# Altium PCB LimeSDR_1v2s.PcbDoc (part 1 of 9) (continued)
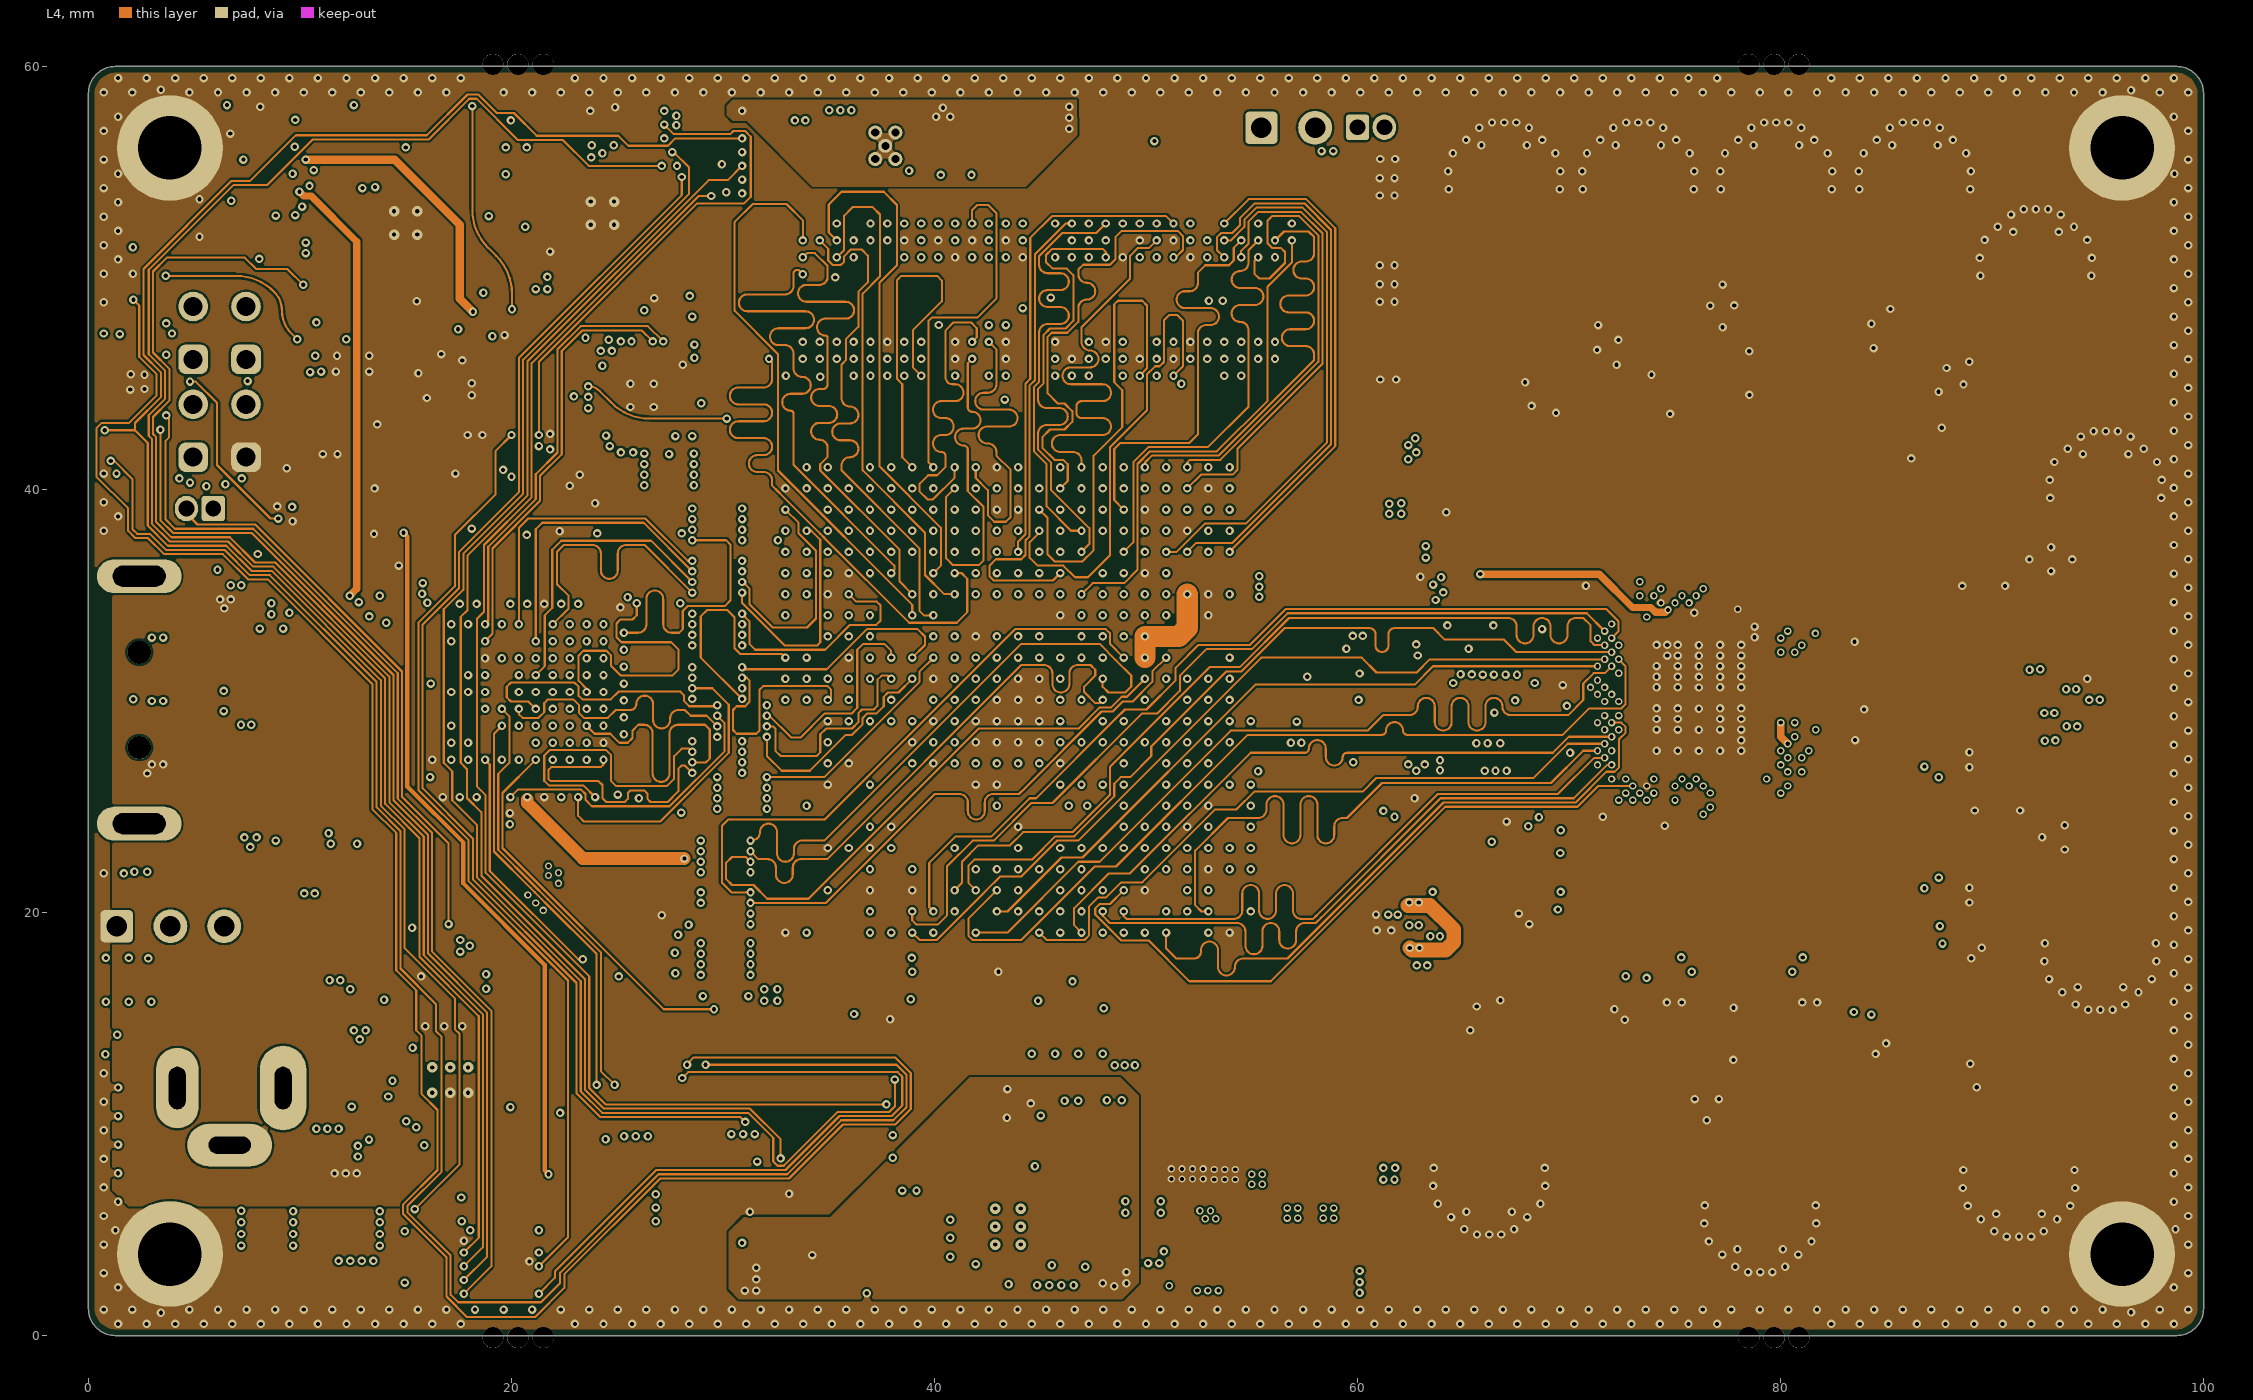
[diagram p4: L4]
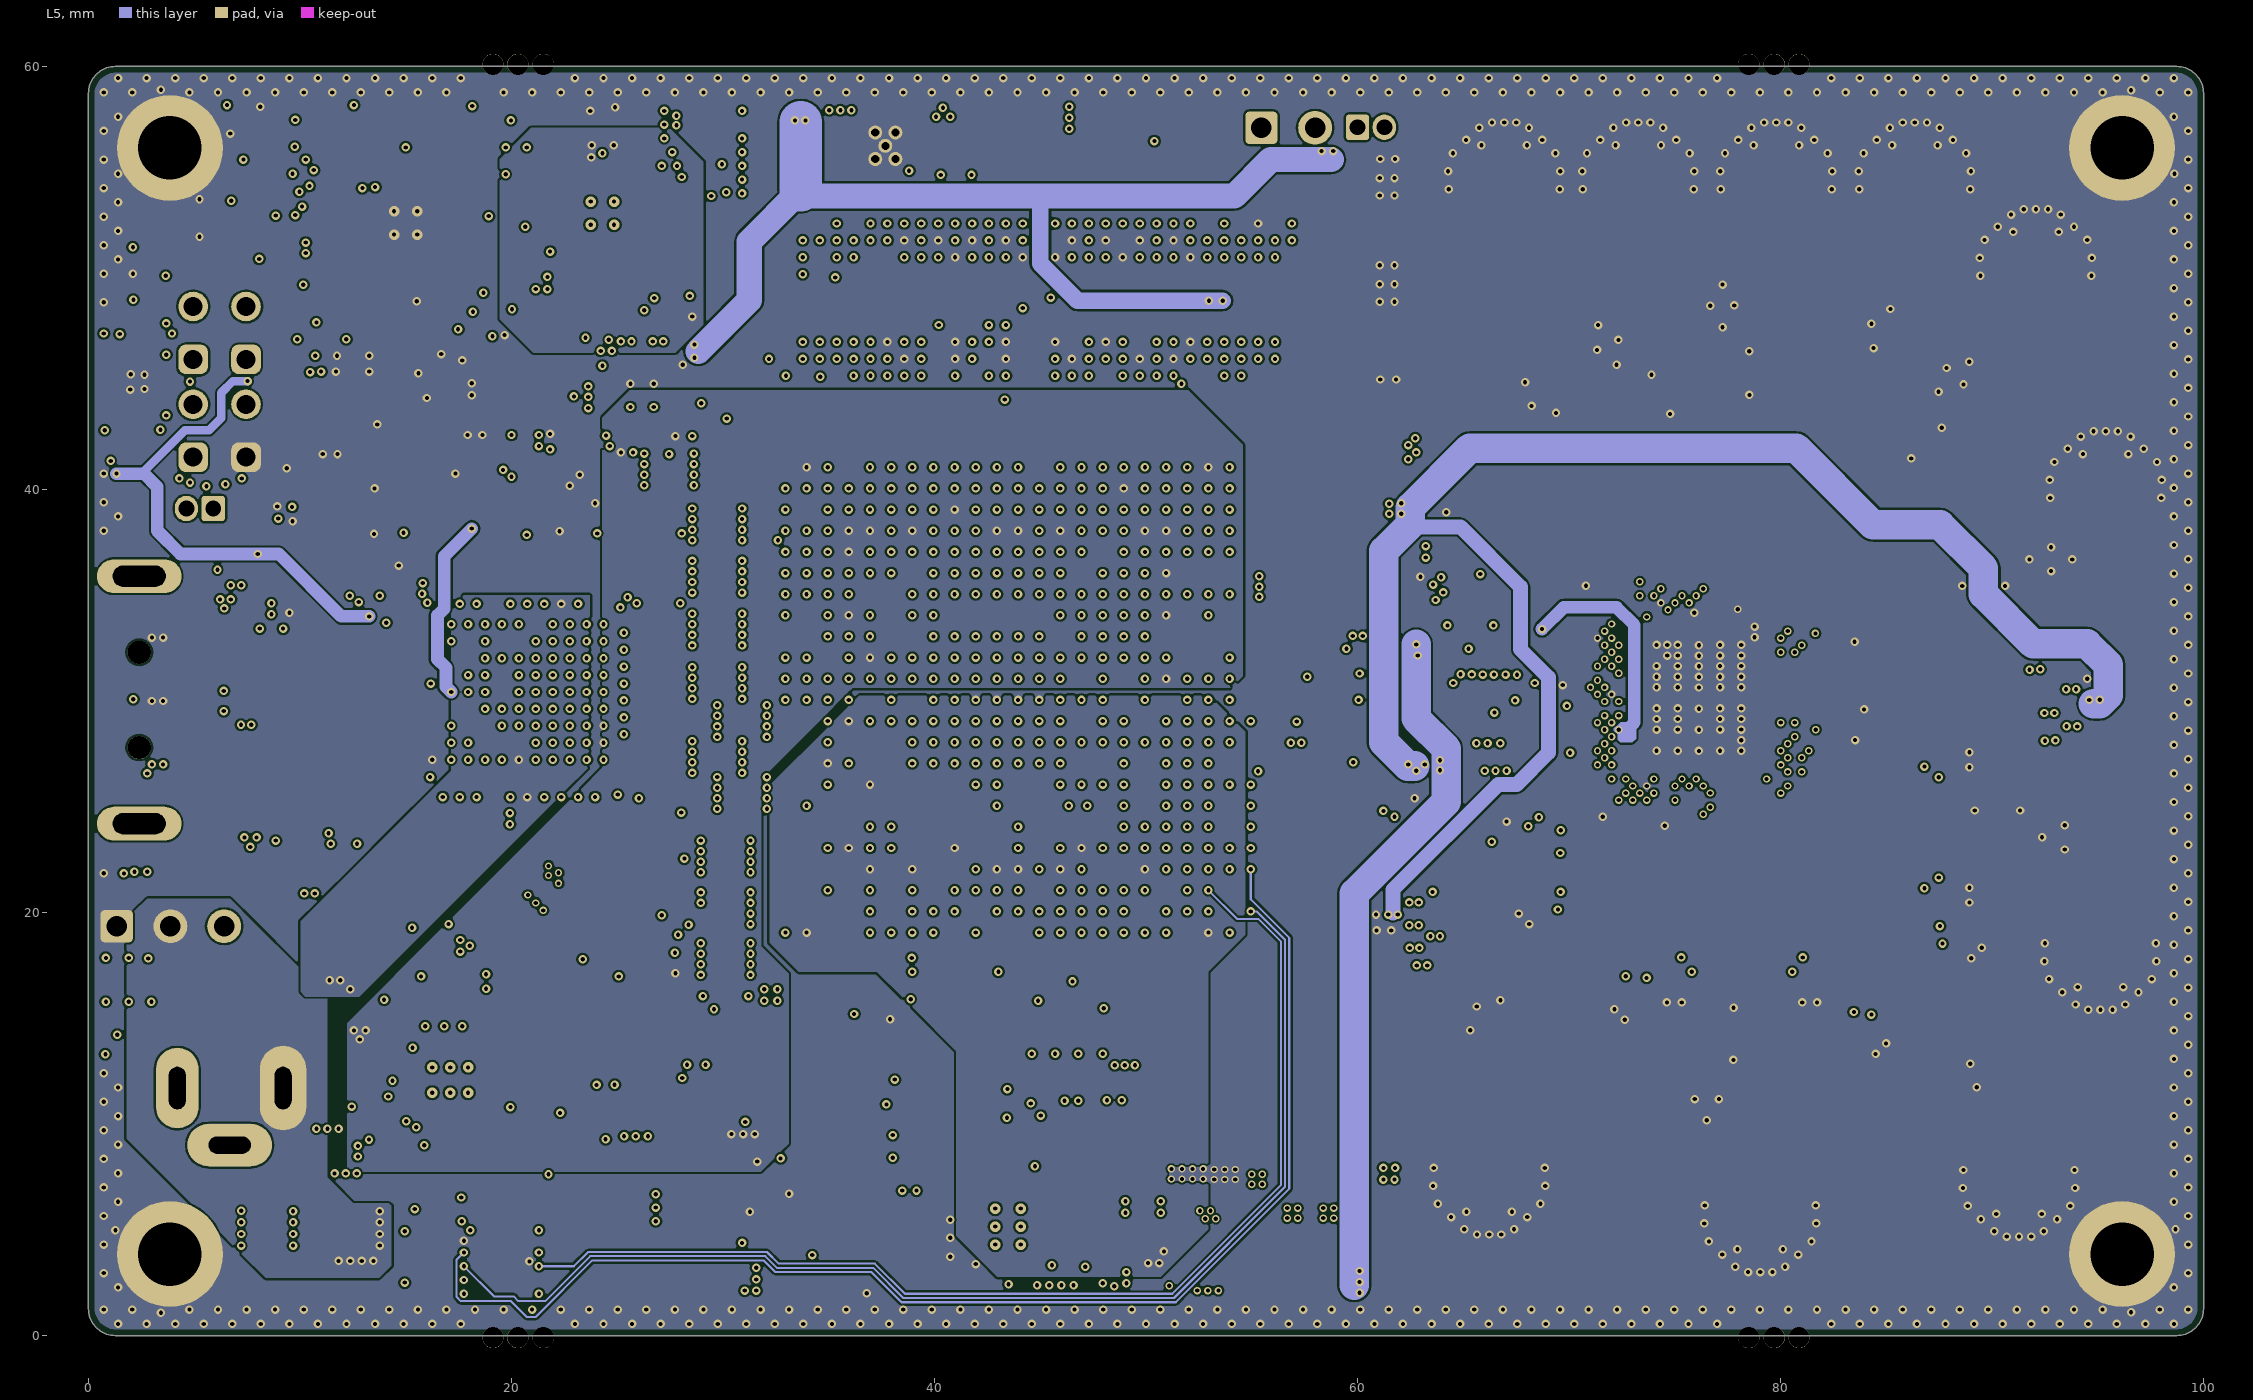
[diagram p5: L5]
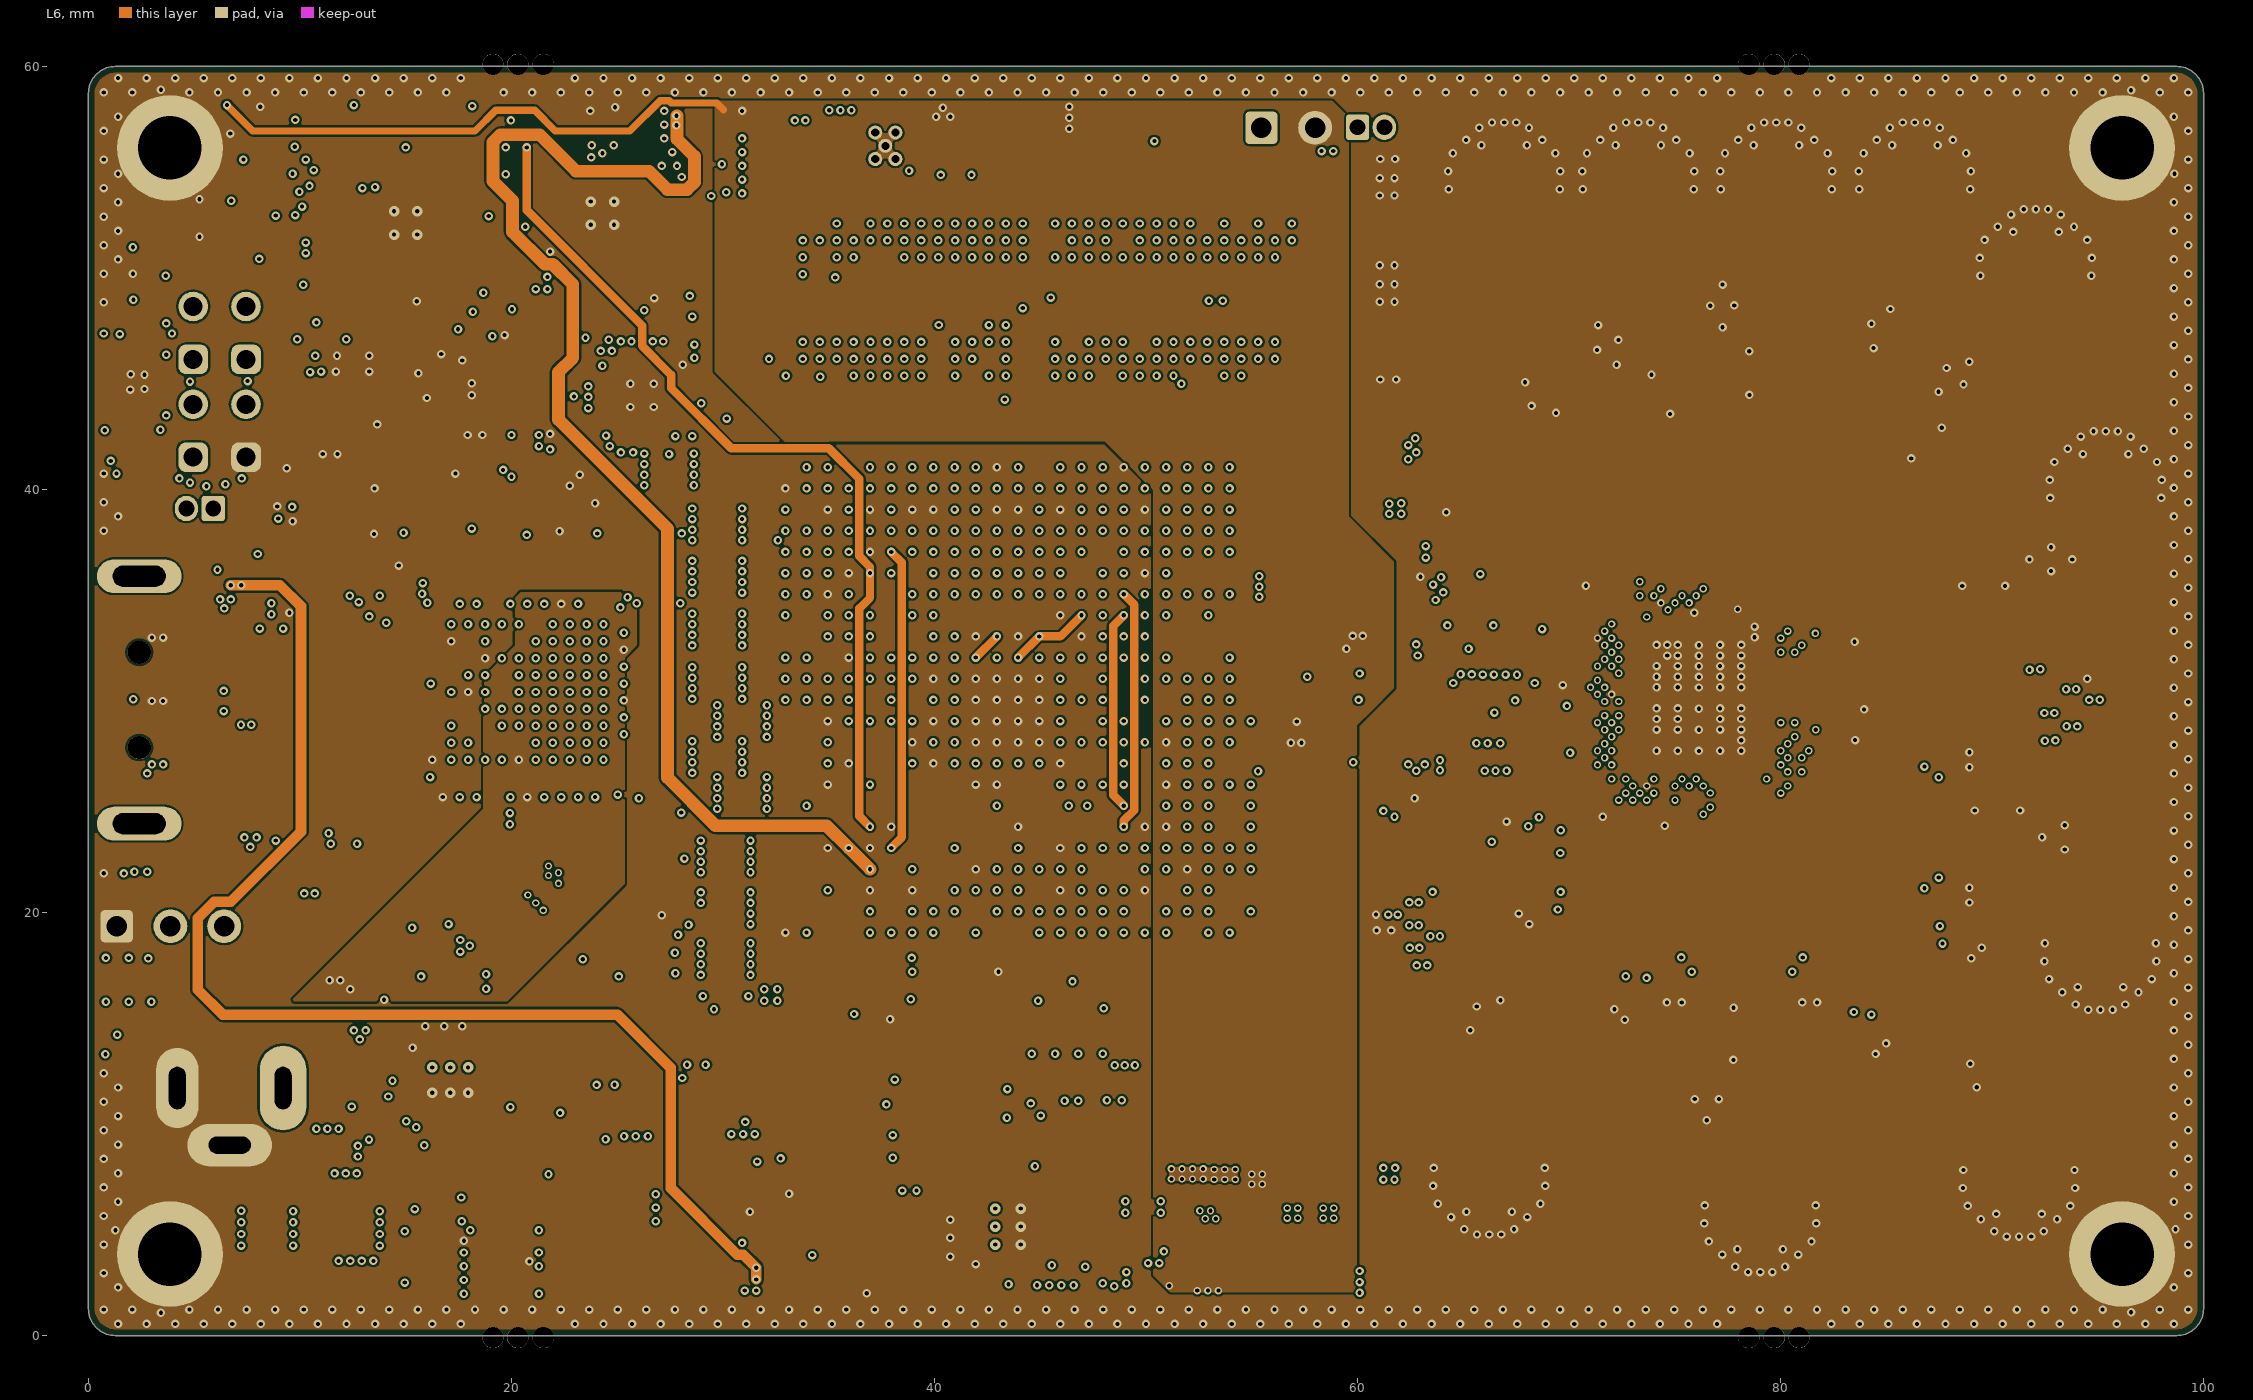
[diagram p6: L6]
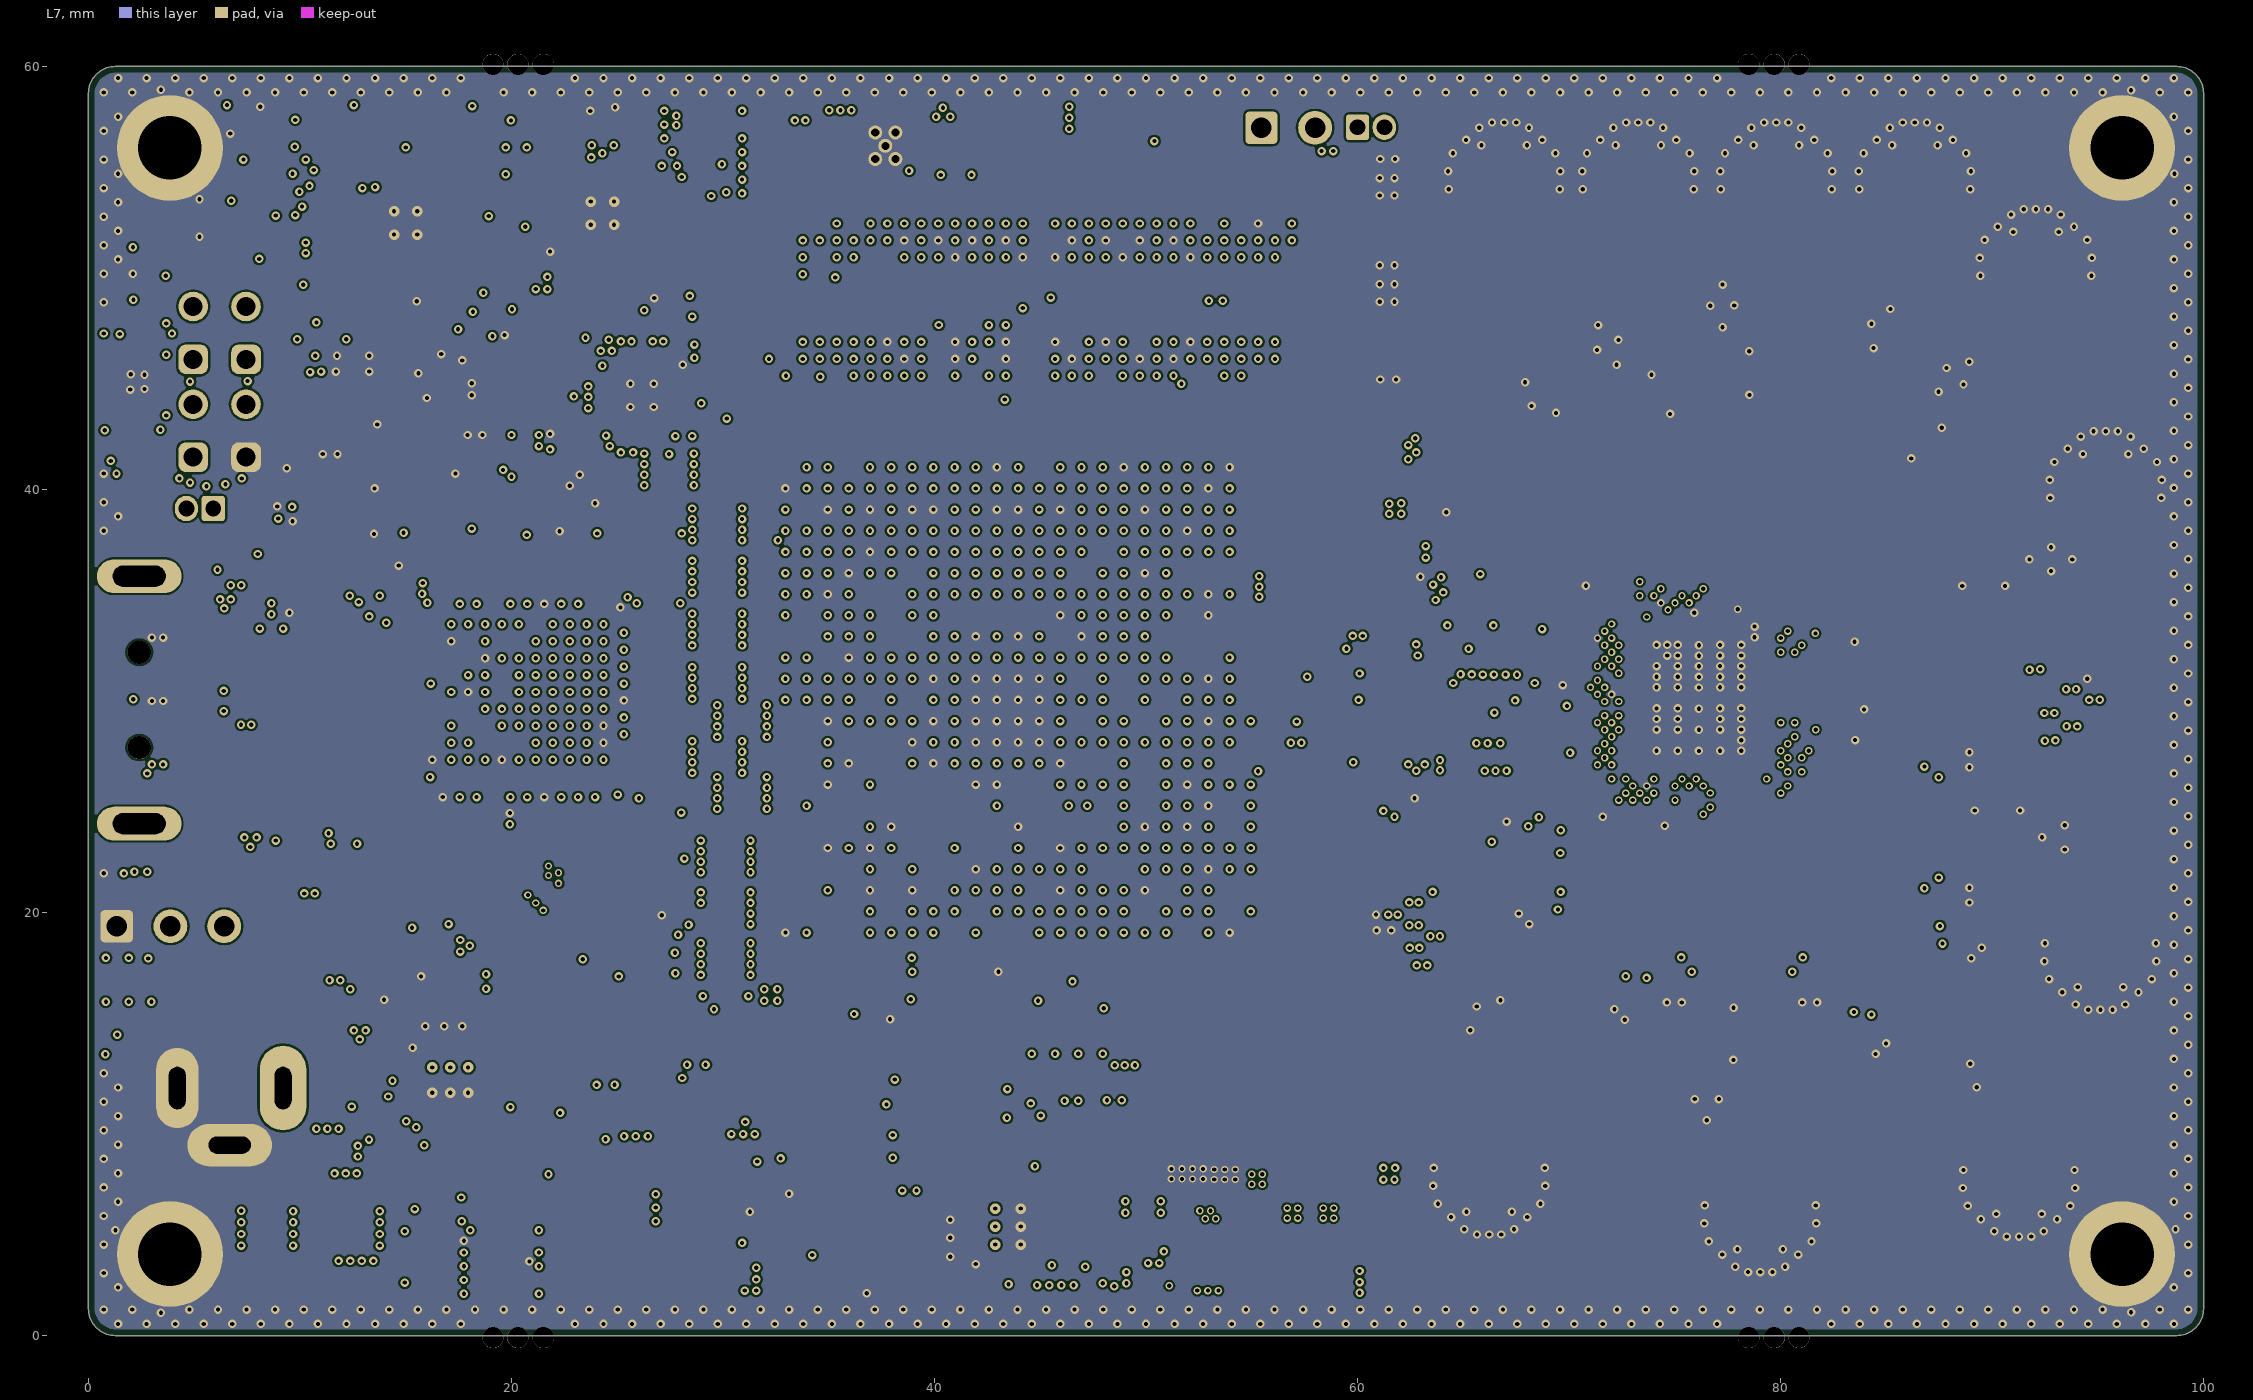
[diagram p7: L7]
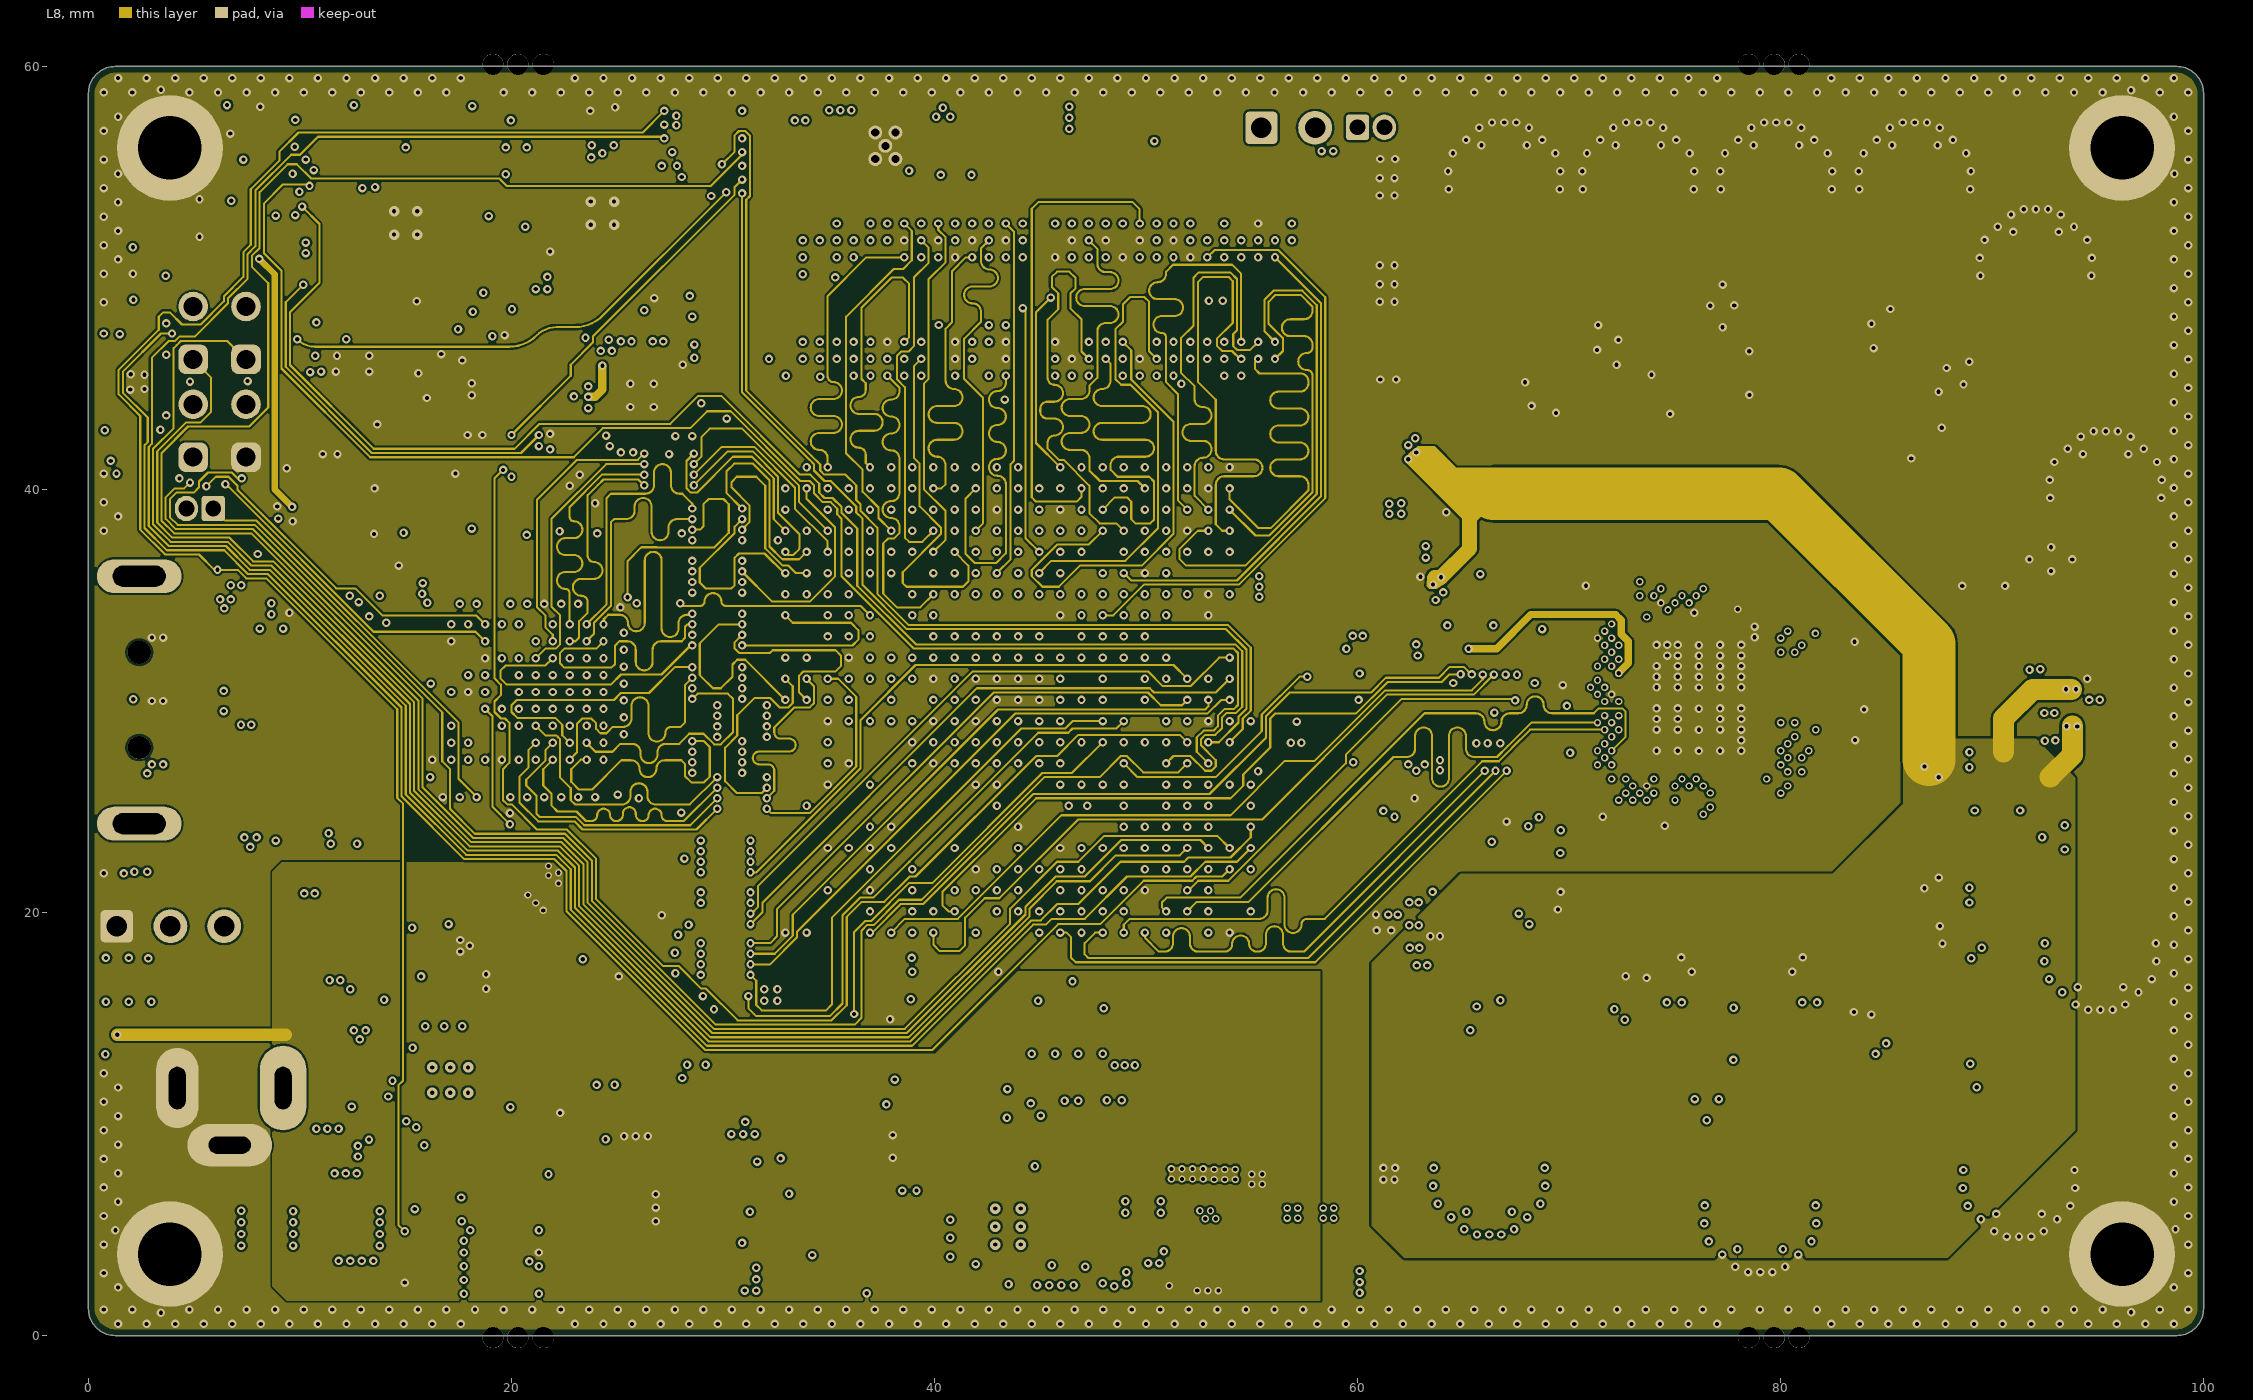
[diagram p8: L8]